# KiCad board RV523_CellTestBoard.final.kicad_pcb (continued)
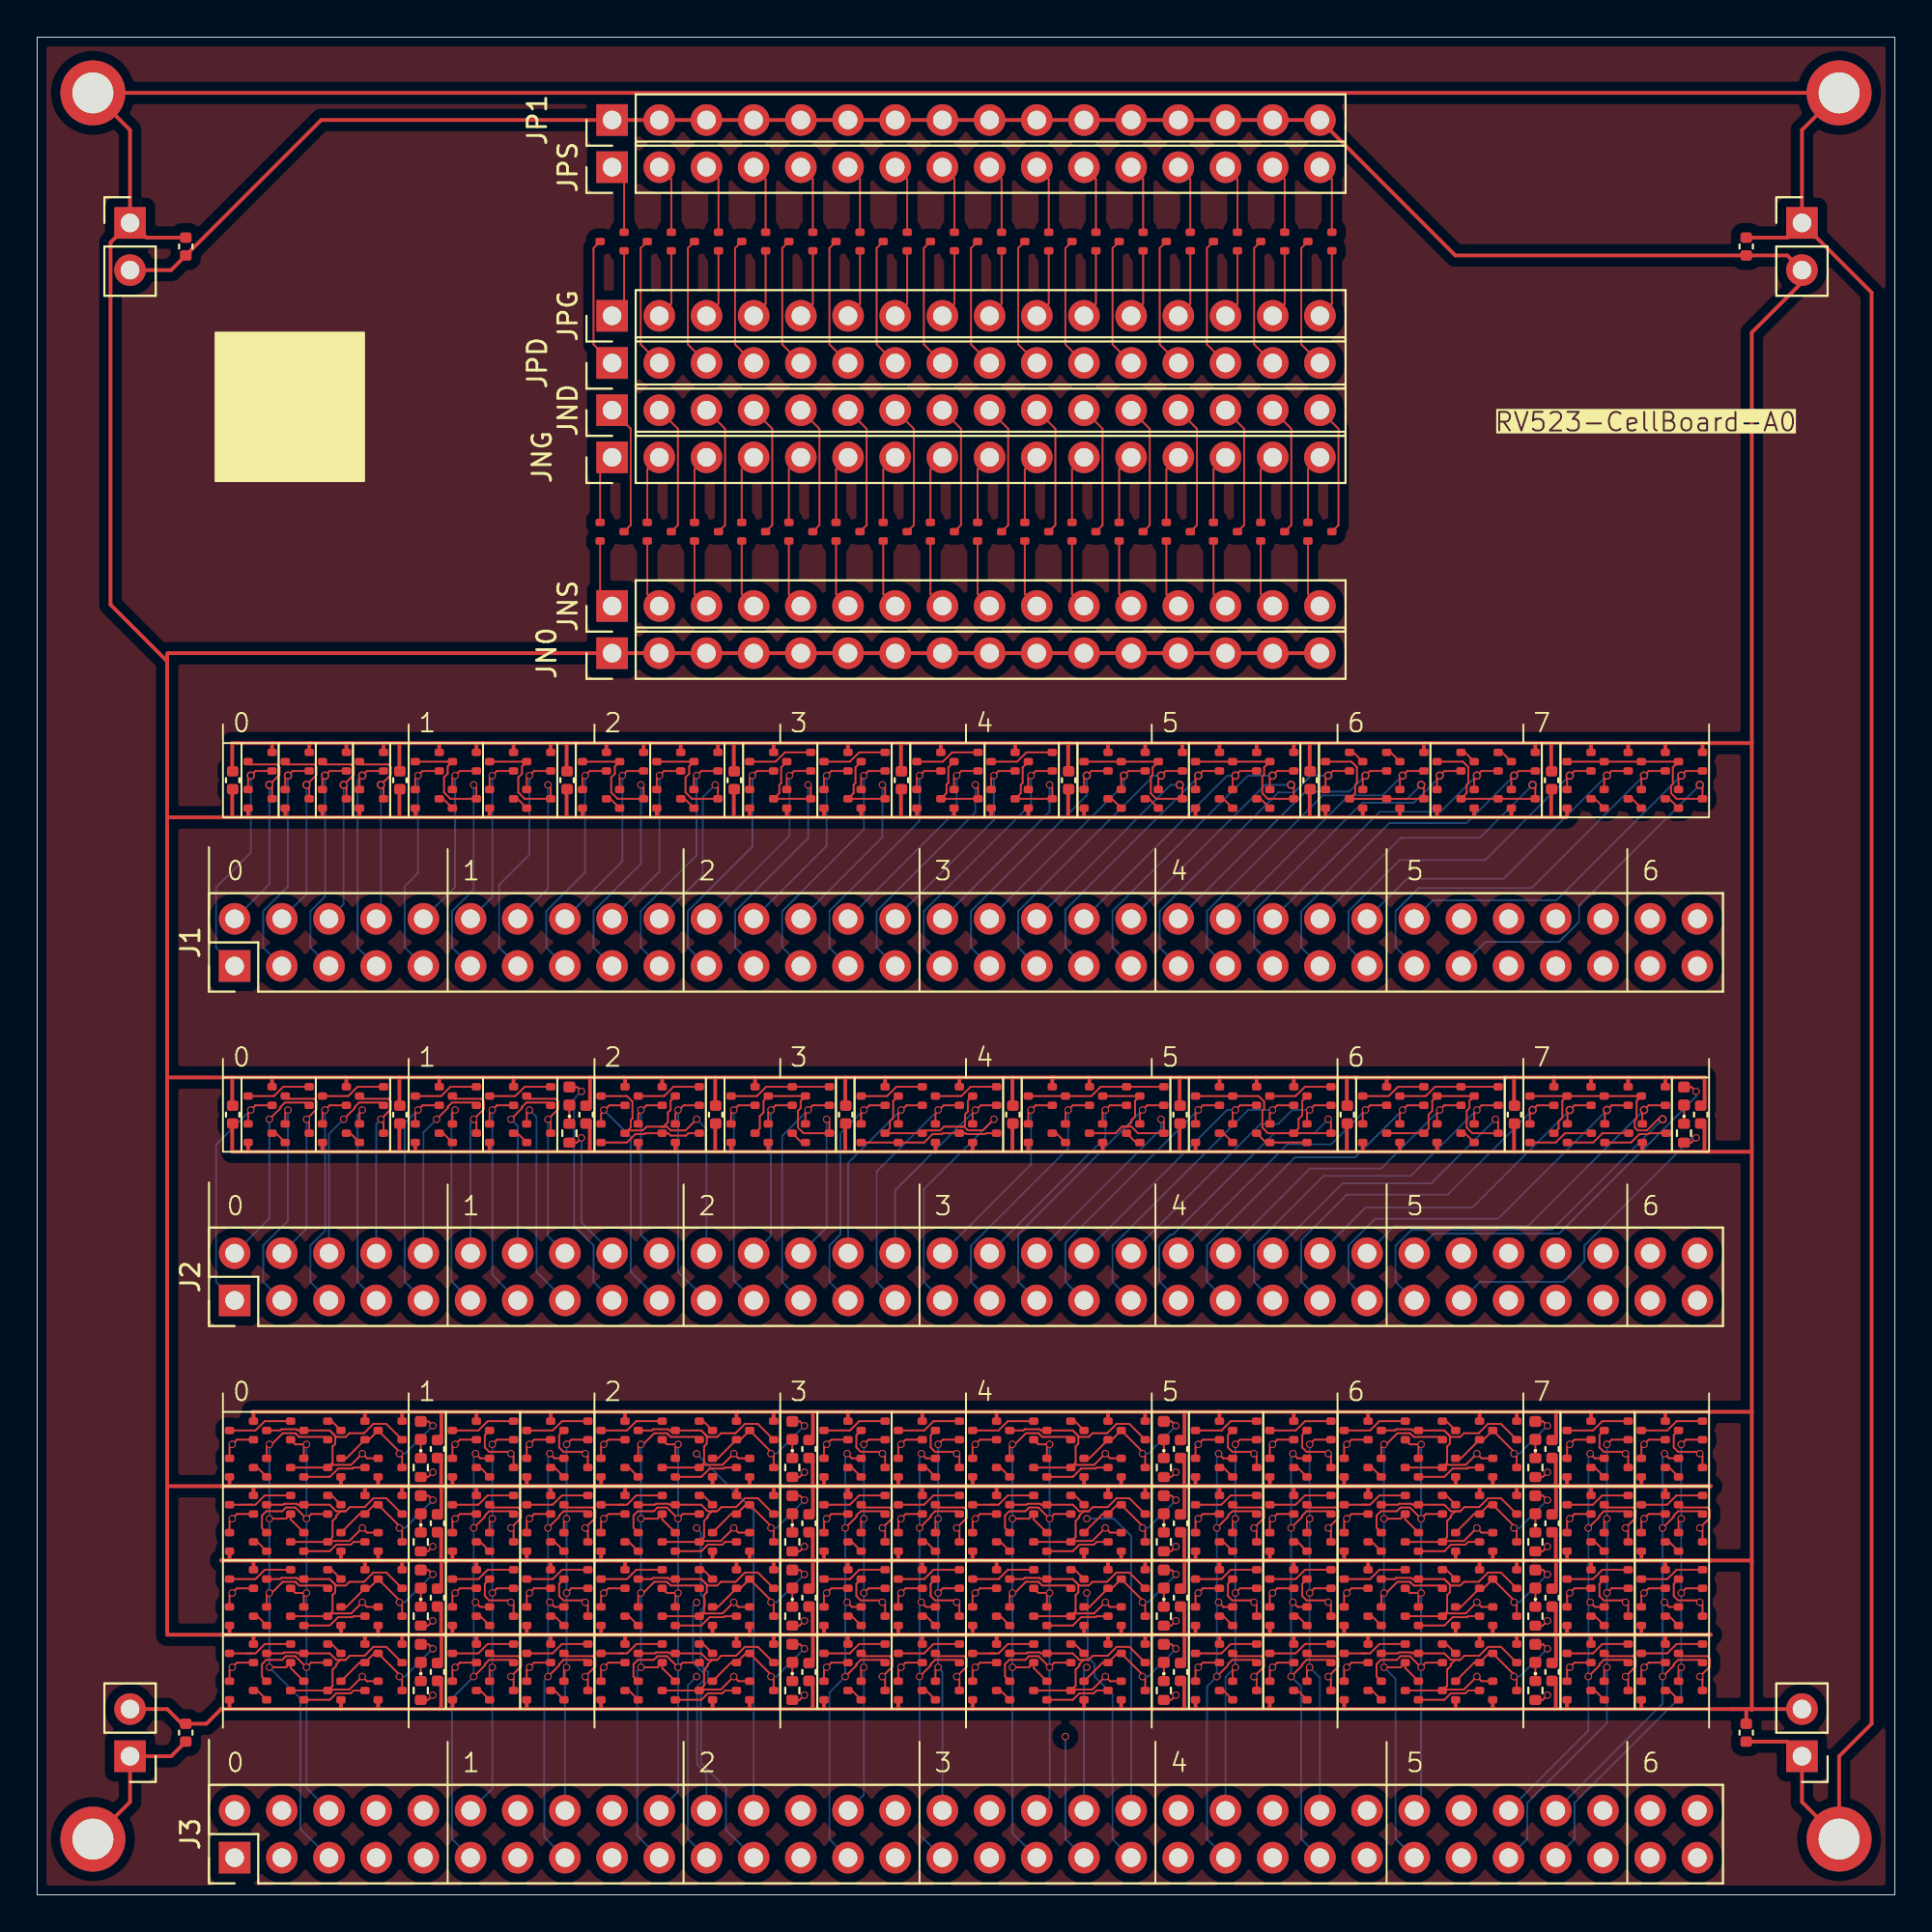
[diagram p0: board, top side]
## Nets (continued)
genblk2[0].genblk1[2].L.NOT3.intN: genblk2[0].genblk1[2].L.NOT3.N1.3 genblk2[0].genblk1[2].L.NOT3.N2.2
genblk2[0].genblk1[2].L.NOT3.intP: genblk2[0].genblk1[2].L.NOT3.P1.3 genblk2[0].genblk1[2].L.NOT3.P2.2
genblk2[0].genblk1[2].nQ: genblk2[0].genblk1[2].L.NOT1.N2.3 genblk2[0].genblk1[2].L.NOT1.P2.3 genblk2[0].genblk1[2].L.NOT2.N1.1 genblk2[0].genblk1[2].L.NOT2.P1.1 genblk2[0].genblk1[2].L.NOT3.N2.3 genblk2[0].genblk1[2].L.NOT3.P2.3 genblk2[0].genblk1[2].R1.N1.1 genblk2[0].genblk1[2].R1.P1.1 genblk2[0].genblk1[2].R2.N1.1 genblk2[0].genblk1[2].R2.P1.1
genblk2[0].genblk1[2].Q: genblk2[0].genblk1[2].D.L.2 genblk2[0].genblk1[2].L.NOT2.N1.3 genblk2[0].genblk1[2].L.NOT2.P1.3 genblk2[0].genblk1[2].L.NOT3.N1.1 genblk2[0].genblk1[2].L.NOT3.P1.1
genblk2[0].genblk1[2].R1.intN: genblk2[0].genblk1[2].R1.N1.3 genblk2[0].genblk1[2].R1.N2.2
genblk2[0].genblk1[2].R1.intP: genblk2[0].genblk1[2].R1.P1.3 genblk2[0].genblk1[2].R1.P2.2
genblk2[0].genblk1[2].R2.intN: genblk2[0].genblk1[2].R2.N1.3 genblk2[0].genblk1[2].R2.N2.2
genblk2[0].genblk1[2].R2.intP: genblk2[0].genblk1[2].R2.P1.3 genblk2[0].genblk1[2].R2.P2.2
genblk2[0].genblk1[3].D.i: genblk2[0].genblk1[3].D.L.1 genblk2[0].genblk1[3].D.R.1
genblk2[0].genblk1[3].L.NOT1.intN: genblk2[0].genblk1[3].L.NOT1.N1.3 genblk2[0].genblk1[3].L.NOT1.N2.2
genblk2[0].genblk1[3].L.NOT1.intP: genblk2[0].genblk1[3].L.NOT1.P1.3 genblk2[0].genblk1[3].L.NOT1.P2.2
genblk2[0].genblk1[3].L.NOT3.intN: genblk2[0].genblk1[3].L.NOT3.N1.3 genblk2[0].genblk1[3].L.NOT3.N2.2
genblk2[0].genblk1[3].L.NOT3.intP: genblk2[0].genblk1[3].L.NOT3.P1.3 genblk2[0].genblk1[3].L.NOT3.P2.2
genblk2[0].genblk1[3].nQ: genblk2[0].genblk1[3].L.NOT1.N2.3 genblk2[0].genblk1[3].L.NOT1.P2.3 genblk2[0].genblk1[3].L.NOT2.N1.1 genblk2[0].genblk1[3].L.NOT2.P1.1 genblk2[0].genblk1[3].L.NOT3.N2.3 genblk2[0].genblk1[3].L.NOT3.P2.3 genblk2[0].genblk1[3].R1.N1.1 genblk2[0].genblk1[3].R1.P1.1 genblk2[0].genblk1[3].R2.N1.1 genblk2[0].genblk1[3].R2.P1.1
genblk2[0].genblk1[3].Q: genblk2[0].genblk1[3].D.L.2 genblk2[0].genblk1[3].L.NOT2.N1.3 genblk2[0].genblk1[3].L.NOT2.P1.3 genblk2[0].genblk1[3].L.NOT3.N1.1 genblk2[0].genblk1[3].L.NOT3.P1.1
genblk2[0].genblk1[3].R1.intN: genblk2[0].genblk1[3].R1.N1.3 genblk2[0].genblk1[3].R1.N2.2
genblk2[0].genblk1[3].R1.intP: genblk2[0].genblk1[3].R1.P1.3 genblk2[0].genblk1[3].R1.P2.2
genblk2[0].genblk1[3].R2.intN: genblk2[0].genblk1[3].R2.N1.3 genblk2[0].genblk1[3].R2.N2.2
genblk2[0].genblk1[3].R2.intP: genblk2[0].genblk1[3].R2.P1.3 genblk2[0].genblk1[3].R2.P2.2
genblk2[1].genblk1[0].D.i: genblk2[1].genblk1[0].D.L.1 genblk2[1].genblk1[0].D.R.1
genblk2[1].genblk1[0].L.NOT1.intN: genblk2[1].genblk1[0].L.NOT1.N1.3 genblk2[1].genblk1[0].L.NOT1.N2.2
genblk2[1].genblk1[0].L.NOT1.intP: genblk2[1].genblk1[0].L.NOT1.P1.3 genblk2[1].genblk1[0].L.NOT1.P2.2
genblk2[1].genblk1[0].L.NOT3.intN: genblk2[1].genblk1[0].L.NOT3.N1.3 genblk2[1].genblk1[0].L.NOT3.N2.2
genblk2[1].genblk1[0].L.NOT3.intP: genblk2[1].genblk1[0].L.NOT3.P1.3 genblk2[1].genblk1[0].L.NOT3.P2.2
genblk2[1].genblk1[0].nQ: genblk2[1].genblk1[0].L.NOT1.N2.3 genblk2[1].genblk1[0].L.NOT1.P2.3 genblk2[1].genblk1[0].L.NOT2.N1.1 genblk2[1].genblk1[0].L.NOT2.P1.1 genblk2[1].genblk1[0].L.NOT3.N2.3 genblk2[1].genblk1[0].L.NOT3.P2.3 genblk2[1].genblk1[0].R1.N1.1 genblk2[1].genblk1[0].R1.P1.1 genblk2[1].genblk1[0].R2.N1.1 genblk2[1].genblk1[0].R2.P1.1
genblk2[1].genblk1[0].Q: genblk2[1].genblk1[0].D.L.2 genblk2[1].genblk1[0].L.NOT2.N1.3 genblk2[1].genblk1[0].L.NOT2.P1.3 genblk2[1].genblk1[0].L.NOT3.N1.1 genblk2[1].genblk1[0].L.NOT3.P1.1
genblk2[1].genblk1[0].R1.intN: genblk2[1].genblk1[0].R1.N1.3 genblk2[1].genblk1[0].R1.N2.2
genblk2[1].genblk1[0].R1.intP: genblk2[1].genblk1[0].R1.P1.3 genblk2[1].genblk1[0].R1.P2.2
genblk2[1].genblk1[0].R2.intN: genblk2[1].genblk1[0].R2.N1.3 genblk2[1].genblk1[0].R2.N2.2
genblk2[1].genblk1[0].R2.intP: genblk2[1].genblk1[0].R2.P1.3 genblk2[1].genblk1[0].R2.P2.2
genblk2[1].genblk1[1].D.i: genblk2[1].genblk1[1].D.L.1 genblk2[1].genblk1[1].D.R.1
genblk2[1].genblk1[1].L.NOT1.intN: genblk2[1].genblk1[1].L.NOT1.N1.3 genblk2[1].genblk1[1].L.NOT1.N2.2
genblk2[1].genblk1[1].L.NOT1.intP: genblk2[1].genblk1[1].L.NOT1.P1.3 genblk2[1].genblk1[1].L.NOT1.P2.2
genblk2[1].genblk1[1].L.NOT3.intN: genblk2[1].genblk1[1].L.NOT3.N1.3 genblk2[1].genblk1[1].L.NOT3.N2.2
genblk2[1].genblk1[1].L.NOT3.intP: genblk2[1].genblk1[1].L.NOT3.P1.3 genblk2[1].genblk1[1].L.NOT3.P2.2
genblk2[1].genblk1[1].nQ: genblk2[1].genblk1[1].L.NOT1.N2.3 genblk2[1].genblk1[1].L.NOT1.P2.3 genblk2[1].genblk1[1].L.NOT2.N1.1 genblk2[1].genblk1[1].L.NOT2.P1.1 genblk2[1].genblk1[1].L.NOT3.N2.3 genblk2[1].genblk1[1].L.NOT3.P2.3 genblk2[1].genblk1[1].R1.N1.1 genblk2[1].genblk1[1].R1.P1.1 genblk2[1].genblk1[1].R2.N1.1 genblk2[1].genblk1[1].R2.P1.1
genblk2[1].genblk1[1].Q: genblk2[1].genblk1[1].D.L.2 genblk2[1].genblk1[1].L.NOT2.N1.3 genblk2[1].genblk1[1].L.NOT2.P1.3 genblk2[1].genblk1[1].L.NOT3.N1.1 genblk2[1].genblk1[1].L.NOT3.P1.1
genblk2[1].genblk1[1].R1.intN: genblk2[1].genblk1[1].R1.N1.3 genblk2[1].genblk1[1].R1.N2.2
genblk2[1].genblk1[1].R1.intP: genblk2[1].genblk1[1].R1.P1.3 genblk2[1].genblk1[1].R1.P2.2
genblk2[1].genblk1[1].R2.intN: genblk2[1].genblk1[1].R2.N1.3 genblk2[1].genblk1[1].R2.N2.2
genblk2[1].genblk1[1].R2.intP: genblk2[1].genblk1[1].R2.P1.3 genblk2[1].genblk1[1].R2.P2.2
genblk2[1].genblk1[2].D.i: genblk2[1].genblk1[2].D.L.1 genblk2[1].genblk1[2].D.R.1
genblk2[1].genblk1[2].L.NOT1.intN: genblk2[1].genblk1[2].L.NOT1.N1.3 genblk2[1].genblk1[2].L.NOT1.N2.2
genblk2[1].genblk1[2].L.NOT1.intP: genblk2[1].genblk1[2].L.NOT1.P1.3 genblk2[1].genblk1[2].L.NOT1.P2.2
genblk2[1].genblk1[2].L.NOT3.intN: genblk2[1].genblk1[2].L.NOT3.N1.3 genblk2[1].genblk1[2].L.NOT3.N2.2
genblk2[1].genblk1[2].L.NOT3.intP: genblk2[1].genblk1[2].L.NOT3.P1.3 genblk2[1].genblk1[2].L.NOT3.P2.2
genblk2[1].genblk1[2].nQ: genblk2[1].genblk1[2].L.NOT1.N2.3 genblk2[1].genblk1[2].L.NOT1.P2.3 genblk2[1].genblk1[2].L.NOT2.N1.1 genblk2[1].genblk1[2].L.NOT2.P1.1 genblk2[1].genblk1[2].L.NOT3.N2.3 genblk2[1].genblk1[2].L.NOT3.P2.3 genblk2[1].genblk1[2].R1.N1.1 genblk2[1].genblk1[2].R1.P1.1 genblk2[1].genblk1[2].R2.N1.1 genblk2[1].genblk1[2].R2.P1.1
genblk2[1].genblk1[2].Q: genblk2[1].genblk1[2].D.L.2 genblk2[1].genblk1[2].L.NOT2.N1.3 genblk2[1].genblk1[2].L.NOT2.P1.3 genblk2[1].genblk1[2].L.NOT3.N1.1 genblk2[1].genblk1[2].L.NOT3.P1.1
genblk2[1].genblk1[2].R1.intN: genblk2[1].genblk1[2].R1.N1.3 genblk2[1].genblk1[2].R1.N2.2
genblk2[1].genblk1[2].R1.intP: genblk2[1].genblk1[2].R1.P1.3 genblk2[1].genblk1[2].R1.P2.2
genblk2[1].genblk1[2].R2.intN: genblk2[1].genblk1[2].R2.N1.3 genblk2[1].genblk1[2].R2.N2.2
genblk2[1].genblk1[2].R2.intP: genblk2[1].genblk1[2].R2.P1.3 genblk2[1].genblk1[2].R2.P2.2
genblk2[1].genblk1[3].D.i: genblk2[1].genblk1[3].D.L.1 genblk2[1].genblk1[3].D.R.1
genblk2[1].genblk1[3].L.NOT1.intN: genblk2[1].genblk1[3].L.NOT1.N1.3 genblk2[1].genblk1[3].L.NOT1.N2.2
genblk2[1].genblk1[3].L.NOT1.intP: genblk2[1].genblk1[3].L.NOT1.P1.3 genblk2[1].genblk1[3].L.NOT1.P2.2
genblk2[1].genblk1[3].L.NOT3.intN: genblk2[1].genblk1[3].L.NOT3.N1.3 genblk2[1].genblk1[3].L.NOT3.N2.2
genblk2[1].genblk1[3].L.NOT3.intP: genblk2[1].genblk1[3].L.NOT3.P1.3 genblk2[1].genblk1[3].L.NOT3.P2.2
genblk2[1].genblk1[3].nQ: genblk2[1].genblk1[3].L.NOT1.N2.3 genblk2[1].genblk1[3].L.NOT1.P2.3 genblk2[1].genblk1[3].L.NOT2.N1.1 genblk2[1].genblk1[3].L.NOT2.P1.1 genblk2[1].genblk1[3].L.NOT3.N2.3 genblk2[1].genblk1[3].L.NOT3.P2.3 genblk2[1].genblk1[3].R1.N1.1 genblk2[1].genblk1[3].R1.P1.1 genblk2[1].genblk1[3].R2.N1.1 genblk2[1].genblk1[3].R2.P1.1
genblk2[1].genblk1[3].Q: genblk2[1].genblk1[3].D.L.2 genblk2[1].genblk1[3].L.NOT2.N1.3 genblk2[1].genblk1[3].L.NOT2.P1.3 genblk2[1].genblk1[3].L.NOT3.N1.1 genblk2[1].genblk1[3].L.NOT3.P1.1
genblk2[1].genblk1[3].R1.intN: genblk2[1].genblk1[3].R1.N1.3 genblk2[1].genblk1[3].R1.N2.2
genblk2[1].genblk1[3].R1.intP: genblk2[1].genblk1[3].R1.P1.3 genblk2[1].genblk1[3].R1.P2.2
genblk2[1].genblk1[3].R2.intN: genblk2[1].genblk1[3].R2.N1.3 genblk2[1].genblk1[3].R2.N2.2
genblk2[1].genblk1[3].R2.intP: genblk2[1].genblk1[3].R2.P1.3 genblk2[1].genblk1[3].R2.P2.2
genblk2[2].genblk1[0].D.i: genblk2[2].genblk1[0].D.L.1 genblk2[2].genblk1[0].D.R.1
genblk2[2].genblk1[0].L.NOT1.intN: genblk2[2].genblk1[0].L.NOT1.N1.3 genblk2[2].genblk1[0].L.NOT1.N2.2
genblk2[2].genblk1[0].L.NOT1.intP: genblk2[2].genblk1[0].L.NOT1.P1.3 genblk2[2].genblk1[0].L.NOT1.P2.2
genblk2[2].genblk1[0].L.NOT3.intN: genblk2[2].genblk1[0].L.NOT3.N1.3 genblk2[2].genblk1[0].L.NOT3.N2.2
genblk2[2].genblk1[0].L.NOT3.intP: genblk2[2].genblk1[0].L.NOT3.P1.3 genblk2[2].genblk1[0].L.NOT3.P2.2
genblk2[2].genblk1[0].nQ: genblk2[2].genblk1[0].L.NOT1.N2.3 genblk2[2].genblk1[0].L.NOT1.P2.3 genblk2[2].genblk1[0].L.NOT2.N1.1 genblk2[2].genblk1[0].L.NOT2.P1.1 genblk2[2].genblk1[0].L.NOT3.N2.3 genblk2[2].genblk1[0].L.NOT3.P2.3 genblk2[2].genblk1[0].R1.N1.1 genblk2[2].genblk1[0].R1.P1.1 genblk2[2].genblk1[0].R2.N1.1 genblk2[2].genblk1[0].R2.P1.1
genblk2[2].genblk1[0].Q: genblk2[2].genblk1[0].D.L.2 genblk2[2].genblk1[0].L.NOT2.N1.3 genblk2[2].genblk1[0].L.NOT2.P1.3 genblk2[2].genblk1[0].L.NOT3.N1.1 genblk2[2].genblk1[0].L.NOT3.P1.1
genblk2[2].genblk1[0].R1.intN: genblk2[2].genblk1[0].R1.N1.3 genblk2[2].genblk1[0].R1.N2.2
genblk2[2].genblk1[0].R1.intP: genblk2[2].genblk1[0].R1.P1.3 genblk2[2].genblk1[0].R1.P2.2
genblk2[2].genblk1[0].R2.intN: genblk2[2].genblk1[0].R2.N1.3 genblk2[2].genblk1[0].R2.N2.2
genblk2[2].genblk1[0].R2.intP: genblk2[2].genblk1[0].R2.P1.3 genblk2[2].genblk1[0].R2.P2.2
genblk2[2].genblk1[1].D.i: genblk2[2].genblk1[1].D.L.1 genblk2[2].genblk1[1].D.R.1
genblk2[2].genblk1[1].L.NOT1.intN: genblk2[2].genblk1[1].L.NOT1.N1.3 genblk2[2].genblk1[1].L.NOT1.N2.2
genblk2[2].genblk1[1].L.NOT1.intP: genblk2[2].genblk1[1].L.NOT1.P1.3 genblk2[2].genblk1[1].L.NOT1.P2.2
genblk2[2].genblk1[1].L.NOT3.intN: genblk2[2].genblk1[1].L.NOT3.N1.3 genblk2[2].genblk1[1].L.NOT3.N2.2
genblk2[2].genblk1[1].L.NOT3.intP: genblk2[2].genblk1[1].L.NOT3.P1.3 genblk2[2].genblk1[1].L.NOT3.P2.2
genblk2[2].genblk1[1].nQ: genblk2[2].genblk1[1].L.NOT1.N2.3 genblk2[2].genblk1[1].L.NOT1.P2.3 genblk2[2].genblk1[1].L.NOT2.N1.1 genblk2[2].genblk1[1].L.NOT2.P1.1 genblk2[2].genblk1[1].L.NOT3.N2.3 genblk2[2].genblk1[1].L.NOT3.P2.3 genblk2[2].genblk1[1].R1.N1.1 genblk2[2].genblk1[1].R1.P1.1 genblk2[2].genblk1[1].R2.N1.1 genblk2[2].genblk1[1].R2.P1.1
genblk2[2].genblk1[1].Q: genblk2[2].genblk1[1].D.L.2 genblk2[2].genblk1[1].L.NOT2.N1.3 genblk2[2].genblk1[1].L.NOT2.P1.3 genblk2[2].genblk1[1].L.NOT3.N1.1 genblk2[2].genblk1[1].L.NOT3.P1.1
genblk2[2].genblk1[1].R1.intN: genblk2[2].genblk1[1].R1.N1.3 genblk2[2].genblk1[1].R1.N2.2
genblk2[2].genblk1[1].R1.intP: genblk2[2].genblk1[1].R1.P1.3 genblk2[2].genblk1[1].R1.P2.2
genblk2[2].genblk1[1].R2.intN: genblk2[2].genblk1[1].R2.N1.3 genblk2[2].genblk1[1].R2.N2.2
genblk2[2].genblk1[1].R2.intP: genblk2[2].genblk1[1].R2.P1.3 genblk2[2].genblk1[1].R2.P2.2
genblk2[2].genblk1[2].D.i: genblk2[2].genblk1[2].D.L.1 genblk2[2].genblk1[2].D.R.1
genblk2[2].genblk1[2].L.NOT1.intN: genblk2[2].genblk1[2].L.NOT1.N1.3 genblk2[2].genblk1[2].L.NOT1.N2.2
genblk2[2].genblk1[2].L.NOT1.intP: genblk2[2].genblk1[2].L.NOT1.P1.3 genblk2[2].genblk1[2].L.NOT1.P2.2
genblk2[2].genblk1[2].L.NOT3.intN: genblk2[2].genblk1[2].L.NOT3.N1.3 genblk2[2].genblk1[2].L.NOT3.N2.2
genblk2[2].genblk1[2].L.NOT3.intP: genblk2[2].genblk1[2].L.NOT3.P1.3 genblk2[2].genblk1[2].L.NOT3.P2.2
genblk2[2].genblk1[2].nQ: genblk2[2].genblk1[2].L.NOT1.N2.3 genblk2[2].genblk1[2].L.NOT1.P2.3 genblk2[2].genblk1[2].L.NOT2.N1.1 genblk2[2].genblk1[2].L.NOT2.P1.1 genblk2[2].genblk1[2].L.NOT3.N2.3 genblk2[2].genblk1[2].L.NOT3.P2.3 genblk2[2].genblk1[2].R1.N1.1 genblk2[2].genblk1[2].R1.P1.1 genblk2[2].genblk1[2].R2.N1.1 genblk2[2].genblk1[2].R2.P1.1
genblk2[2].genblk1[2].Q: genblk2[2].genblk1[2].D.L.2 genblk2[2].genblk1[2].L.NOT2.N1.3 genblk2[2].genblk1[2].L.NOT2.P1.3 genblk2[2].genblk1[2].L.NOT3.N1.1 genblk2[2].genblk1[2].L.NOT3.P1.1
genblk2[2].genblk1[2].R1.intN: genblk2[2].genblk1[2].R1.N1.3 genblk2[2].genblk1[2].R1.N2.2
genblk2[2].genblk1[2].R1.intP: genblk2[2].genblk1[2].R1.P1.3 genblk2[2].genblk1[2].R1.P2.2
genblk2[2].genblk1[2].R2.intN: genblk2[2].genblk1[2].R2.N1.3 genblk2[2].genblk1[2].R2.N2.2
genblk2[2].genblk1[2].R2.intP: genblk2[2].genblk1[2].R2.P1.3 genblk2[2].genblk1[2].R2.P2.2
genblk2[2].genblk1[3].D.i: genblk2[2].genblk1[3].D.L.1 genblk2[2].genblk1[3].D.R.1
genblk2[2].genblk1[3].L.NOT1.intN: genblk2[2].genblk1[3].L.NOT1.N1.3 genblk2[2].genblk1[3].L.NOT1.N2.2
genblk2[2].genblk1[3].L.NOT1.intP: genblk2[2].genblk1[3].L.NOT1.P1.3 genblk2[2].genblk1[3].L.NOT1.P2.2
genblk2[2].genblk1[3].L.NOT3.intN: genblk2[2].genblk1[3].L.NOT3.N1.3 genblk2[2].genblk1[3].L.NOT3.N2.2
genblk2[2].genblk1[3].L.NOT3.intP: genblk2[2].genblk1[3].L.NOT3.P1.3 genblk2[2].genblk1[3].L.NOT3.P2.2
genblk2[2].genblk1[3].nQ: genblk2[2].genblk1[3].L.NOT1.N2.3 genblk2[2].genblk1[3].L.NOT1.P2.3 genblk2[2].genblk1[3].L.NOT2.N1.1 genblk2[2].genblk1[3].L.NOT2.P1.1 genblk2[2].genblk1[3].L.NOT3.N2.3 genblk2[2].genblk1[3].L.NOT3.P2.3 genblk2[2].genblk1[3].R1.N1.1 genblk2[2].genblk1[3].R1.P1.1 genblk2[2].genblk1[3].R2.N1.1 genblk2[2].genblk1[3].R2.P1.1
genblk2[2].genblk1[3].Q: genblk2[2].genblk1[3].D.L.2 genblk2[2].genblk1[3].L.NOT2.N1.3 genblk2[2].genblk1[3].L.NOT2.P1.3 genblk2[2].genblk1[3].L.NOT3.N1.1 genblk2[2].genblk1[3].L.NOT3.P1.1
genblk2[2].genblk1[3].R1.intN: genblk2[2].genblk1[3].R1.N1.3 genblk2[2].genblk1[3].R1.N2.2
genblk2[2].genblk1[3].R1.intP: genblk2[2].genblk1[3].R1.P1.3 genblk2[2].genblk1[3].R1.P2.2
genblk2[2].genblk1[3].R2.intN: genblk2[2].genblk1[3].R2.N1.3 genblk2[2].genblk1[3].R2.N2.2
genblk2[2].genblk1[3].R2.intP: genblk2[2].genblk1[3].R2.P1.3 genblk2[2].genblk1[3].R2.P2.2
genblk2[3].genblk1[0].D.i: genblk2[3].genblk1[0].D.L.1 genblk2[3].genblk1[0].D.R.1
genblk2[3].genblk1[0].L.NOT1.intN: genblk2[3].genblk1[0].L.NOT1.N1.3 genblk2[3].genblk1[0].L.NOT1.N2.2
genblk2[3].genblk1[0].L.NOT1.intP: genblk2[3].genblk1[0].L.NOT1.P1.3 genblk2[3].genblk1[0].L.NOT1.P2.2
genblk2[3].genblk1[0].L.NOT3.intN: genblk2[3].genblk1[0].L.NOT3.N1.3 genblk2[3].genblk1[0].L.NOT3.N2.2
genblk2[3].genblk1[0].L.NOT3.intP: genblk2[3].genblk1[0].L.NOT3.P1.3 genblk2[3].genblk1[0].L.NOT3.P2.2
genblk2[3].genblk1[0].nQ: genblk2[3].genblk1[0].L.NOT1.N2.3 genblk2[3].genblk1[0].L.NOT1.P2.3 genblk2[3].genblk1[0].L.NOT2.N1.1 genblk2[3].genblk1[0].L.NOT2.P1.1 genblk2[3].genblk1[0].L.NOT3.N2.3 genblk2[3].genblk1[0].L.NOT3.P2.3 genblk2[3].genblk1[0].R1.N1.1 genblk2[3].genblk1[0].R1.P1.1 genblk2[3].genblk1[0].R2.N1.1 genblk2[3].genblk1[0].R2.P1.1
genblk2[3].genblk1[0].Q: genblk2[3].genblk1[0].D.L.2 genblk2[3].genblk1[0].L.NOT2.N1.3 genblk2[3].genblk1[0].L.NOT2.P1.3 genblk2[3].genblk1[0].L.NOT3.N1.1 genblk2[3].genblk1[0].L.NOT3.P1.1
genblk2[3].genblk1[0].R1.intN: genblk2[3].genblk1[0].R1.N1.3 genblk2[3].genblk1[0].R1.N2.2
genblk2[3].genblk1[0].R1.intP: genblk2[3].genblk1[0].R1.P1.3 genblk2[3].genblk1[0].R1.P2.2
genblk2[3].genblk1[0].R2.intN: genblk2[3].genblk1[0].R2.N1.3 genblk2[3].genblk1[0].R2.N2.2
genblk2[3].genblk1[0].R2.intP: genblk2[3].genblk1[0].R2.P1.3 genblk2[3].genblk1[0].R2.P2.2
genblk2[3].genblk1[1].D.i: genblk2[3].genblk1[1].D.L.1 genblk2[3].genblk1[1].D.R.1
genblk2[3].genblk1[1].L.NOT1.intN: genblk2[3].genblk1[1].L.NOT1.N1.3 genblk2[3].genblk1[1].L.NOT1.N2.2
genblk2[3].genblk1[1].L.NOT1.intP: genblk2[3].genblk1[1].L.NOT1.P1.3 genblk2[3].genblk1[1].L.NOT1.P2.2
genblk2[3].genblk1[1].L.NOT3.intN: genblk2[3].genblk1[1].L.NOT3.N1.3 genblk2[3].genblk1[1].L.NOT3.N2.2
genblk2[3].genblk1[1].L.NOT3.intP: genblk2[3].genblk1[1].L.NOT3.P1.3 genblk2[3].genblk1[1].L.NOT3.P2.2
genblk2[3].genblk1[1].nQ: genblk2[3].genblk1[1].L.NOT1.N2.3 genblk2[3].genblk1[1].L.NOT1.P2.3 genblk2[3].genblk1[1].L.NOT2.N1.1 genblk2[3].genblk1[1].L.NOT2.P1.1 genblk2[3].genblk1[1].L.NOT3.N2.3 genblk2[3].genblk1[1].L.NOT3.P2.3 genblk2[3].genblk1[1].R1.N1.1 genblk2[3].genblk1[1].R1.P1.1 genblk2[3].genblk1[1].R2.N1.1 genblk2[3].genblk1[1].R2.P1.1
genblk2[3].genblk1[1].Q: genblk2[3].genblk1[1].D.L.2 genblk2[3].genblk1[1].L.NOT2.N1.3 genblk2[3].genblk1[1].L.NOT2.P1.3 genblk2[3].genblk1[1].L.NOT3.N1.1 genblk2[3].genblk1[1].L.NOT3.P1.1
genblk2[3].genblk1[1].R1.intN: genblk2[3].genblk1[1].R1.N1.3 genblk2[3].genblk1[1].R1.N2.2
genblk2[3].genblk1[1].R1.intP: genblk2[3].genblk1[1].R1.P1.3 genblk2[3].genblk1[1].R1.P2.2
genblk2[3].genblk1[1].R2.intN: genblk2[3].genblk1[1].R2.N1.3 genblk2[3].genblk1[1].R2.N2.2
genblk2[3].genblk1[1].R2.intP: genblk2[3].genblk1[1].R2.P1.3 genblk2[3].genblk1[1].R2.P2.2
genblk2[3].genblk1[2].D.i: genblk2[3].genblk1[2].D.L.1 genblk2[3].genblk1[2].D.R.1
genblk2[3].genblk1[2].L.NOT1.intN: genblk2[3].genblk1[2].L.NOT1.N1.3 genblk2[3].genblk1[2].L.NOT1.N2.2
genblk2[3].genblk1[2].L.NOT1.intP: genblk2[3].genblk1[2].L.NOT1.P1.3 genblk2[3].genblk1[2].L.NOT1.P2.2
genblk2[3].genblk1[2].L.NOT3.intN: genblk2[3].genblk1[2].L.NOT3.N1.3 genblk2[3].genblk1[2].L.NOT3.N2.2
genblk2[3].genblk1[2].L.NOT3.intP: genblk2[3].genblk1[2].L.NOT3.P1.3 genblk2[3].genblk1[2].L.NOT3.P2.2
genblk2[3].genblk1[2].nQ: genblk2[3].genblk1[2].L.NOT1.N2.3 genblk2[3].genblk1[2].L.NOT1.P2.3 genblk2[3].genblk1[2].L.NOT2.N1.1 genblk2[3].genblk1[2].L.NOT2.P1.1 genblk2[3].genblk1[2].L.NOT3.N2.3 genblk2[3].genblk1[2].L.NOT3.P2.3 genblk2[3].genblk1[2].R1.N1.1 genblk2[3].genblk1[2].R1.P1.1 genblk2[3].genblk1[2].R2.N1.1 genblk2[3].genblk1[2].R2.P1.1
genblk2[3].genblk1[2].Q: genblk2[3].genblk1[2].D.L.2 genblk2[3].genblk1[2].L.NOT2.N1.3 genblk2[3].genblk1[2].L.NOT2.P1.3 genblk2[3].genblk1[2].L.NOT3.N1.1 genblk2[3].genblk1[2].L.NOT3.P1.1
genblk2[3].genblk1[2].R1.intN: genblk2[3].genblk1[2].R1.N1.3 genblk2[3].genblk1[2].R1.N2.2
genblk2[3].genblk1[2].R1.intP: genblk2[3].genblk1[2].R1.P1.3 genblk2[3].genblk1[2].R1.P2.2
genblk2[3].genblk1[2].R2.intN: genblk2[3].genblk1[2].R2.N1.3 genblk2[3].genblk1[2].R2.N2.2
genblk2[3].genblk1[2].R2.intP: genblk2[3].genblk1[2].R2.P1.3 genblk2[3].genblk1[2].R2.P2.2
genblk2[3].genblk1[3].D.i: genblk2[3].genblk1[3].D.L.1 genblk2[3].genblk1[3].D.R.1
genblk2[3].genblk1[3].L.NOT1.intN: genblk2[3].genblk1[3].L.NOT1.N1.3 genblk2[3].genblk1[3].L.NOT1.N2.2
genblk2[3].genblk1[3].L.NOT1.intP: genblk2[3].genblk1[3].L.NOT1.P1.3 genblk2[3].genblk1[3].L.NOT1.P2.2
genblk2[3].genblk1[3].L.NOT3.intN: genblk2[3].genblk1[3].L.NOT3.N1.3 genblk2[3].genblk1[3].L.NOT3.N2.2
genblk2[3].genblk1[3].L.NOT3.intP: genblk2[3].genblk1[3].L.NOT3.P1.3 genblk2[3].genblk1[3].L.NOT3.P2.2
genblk2[3].genblk1[3].nQ: genblk2[3].genblk1[3].L.NOT1.N2.3 genblk2[3].genblk1[3].L.NOT1.P2.3 genblk2[3].genblk1[3].L.NOT2.N1.1 genblk2[3].genblk1[3].L.NOT2.P1.1 genblk2[3].genblk1[3].L.NOT3.N2.3 genblk2[3].genblk1[3].L.NOT3.P2.3 genblk2[3].genblk1[3].R1.N1.1 genblk2[3].genblk1[3].R1.P1.1 genblk2[3].genblk1[3].R2.N1.1 genblk2[3].genblk1[3].R2.P1.1
genblk2[3].genblk1[3].Q: genblk2[3].genblk1[3].D.L.2 genblk2[3].genblk1[3].L.NOT2.N1.3 genblk2[3].genblk1[3].L.NOT2.P1.3 genblk2[3].genblk1[3].L.NOT3.N1.1 genblk2[3].genblk1[3].L.NOT3.P1.1
genblk2[3].genblk1[3].R1.intN: genblk2[3].genblk1[3].R1.N1.3 genblk2[3].genblk1[3].R1.N2.2
genblk2[3].genblk1[3].R1.intP: genblk2[3].genblk1[3].R1.P1.3 genblk2[3].genblk1[3].R1.P2.2
genblk2[3].genblk1[3].R2.intN: genblk2[3].genblk1[3].R2.N1.3 genblk2[3].genblk1[3].R2.N2.2
genblk2[3].genblk1[3].R2.intP: genblk2[3].genblk1[3].R2.P1.3 genblk2[3].genblk1[3].R2.P2.2
J1pins.9: J1.9 NAND2_1.N1.1 NAND2_1.P1.1
J1pins.10: J1.10 NAND2_1.N2.1 NAND2_1.P2.1
J1pins.12: J1.12 NAND2_2.N1.1 NAND2_2.P1.1
J1pins.13: J1.13 NAND2_2.N2.1 NAND2_2.P2.1
J1pins.15: J1.15 NAND2_3.N1.1 NAND2_3.P1.1
J1pins.16: J1.16 NAND2_3.N2.1 NAND2_3.P2.1
J1pins.18: J1.18 NAND2_4.N1.1 NAND2_4.P1.1
J1pins.19: J1.19 NAND2_4.N2.1 NAND2_4.P2.1
J1pins.21: J1.21 NOR2_1.N1.1 NOR2_1.P1.1
J1pins.22: J1.22 NOR2_1.N2.1 NOR2_1.P2.1
J1pins.24: J1.24 NOR2_2.N1.1 NOR2_2.P1.1
J1pins.25: J1.25 NOR2_2.N2.1 NOR2_2.P2.1
J1pins.27: J1.27 NOR2_3.N1.1 NOR2_3.P1.1
J1pins.28: J1.28 NOR2_3.N2.1 NOR2_3.P2.1
J1pins.30: J1.30 NOR2_4.N1.1 NOR2_4.P1.1
J1pins.31: J1.31 NOR2_4.N2.1 NOR2_4.P2.1
J1pins.33: J1.33 NAND3_1.N1.1 NAND3_1.P1.1
J1pins.34: J1.34 NAND3_1.N2.1 NAND3_1.P2.1
J1pins.35: J1.35 NAND3_1.N3.1 NAND3_1.P3.1
J1pins.37: J1.37 NAND3_2.N1.1 NAND3_2.P1.1
J1pins.38: J1.38 NAND3_2.N2.1 NAND3_2.P2.1
J1pins.39: J1.39 NAND3_2.N3.1 NAND3_2.P3.1
J1pins.41: J1.41 NOR3_1.N1.1 NOR3_1.P1.1
J1pins.42: J1.42 NOR3_1.N2.1 NOR3_1.P2.1
J1pins.43: J1.43 NOR3_1.N3.1 NOR3_1.P3.1
J1pins.45: J1.45 NOR3_2.N1.1 NOR3_2.P1.1
J1pins.46: J1.46 NOR3_2.N2.1 NOR3_2.P2.1
J1pins.47: J1.47 NOR3_2.N3.1 NOR3_2.P3.1
J1pins.49: J1.49 NAND4_1.N1.1 NAND4_1.P1.1
J1pins.50: J1.50 NAND4_1.N2.1 NAND4_1.P2.1
J1pins.51: J1.51 NAND4_1.N3.1 NAND4_1.P3.1
J1pins.52: J1.52 NAND4_1.N4.1 NAND4_1.P4.1
J1pins.54: J1.54
J1pins.55: J1.55
J1pins.56: J1.56
J1pins.57: J1.57
J1pins.58: J1.58
J1pins.59: J1.59
J1pins.60: J1.60
J1pins.61: J1.61
J1pins.62: J1.62
J1pins.63: J1.63
J1pins.64: J1.64
J1pins[1]: J1.1 NOT_1.N1.1 NOT_1.P1.1
J1pins[2]: J1.2 NOT_1.N1.3 NOT_1.P1.3
J1pins[3]: J1.3 NOT_2.N1.1 NOT_2.P1.1
J1pins[4]: J1.4 NOT_2.N1.3 NOT_2.P1.3
J1pins[5]: J1.5 NOT_3.N1.1 NOT_3.P1.1
J1pins[6]: J1.6 NOT_3.N1.3 NOT_3.P1.3
J1pins[7]: J1.7 NOT_4.N1.1 NOT_4.P1.1
J1pins[8]: J1.8 NOT_4.N1.3 NOT_4.P1.3
J1pins[11]: J1.11 NAND2_1.N2.3 NAND2_1.P1.3 NAND2_1.P2.3
J1pins[14]: J1.14 NAND2_2.N2.3 NAND2_2.P1.3 NAND2_2.P2.3
J1pins[17]: J1.17 NAND2_3.N2.3 NAND2_3.P1.3 NAND2_3.P2.3
J1pins[20]: J1.20 NAND2_4.N2.3 NAND2_4.P1.3 NAND2_4.P2.3
J1pins[23]: J1.23 NOR2_1.N1.3 NOR2_1.N2.3 NOR2_1.P2.3
J1pins[26]: J1.26 NOR2_2.N1.3 NOR2_2.N2.3 NOR2_2.P2.3
J1pins[29]: J1.29 NOR2_3.N1.3 NOR2_3.N2.3 NOR2_3.P2.3
J1pins[32]: J1.32 NOR2_4.N1.3 NOR2_4.N2.3 NOR2_4.P2.3
J1pins[36]: J1.36 NAND3_1.N3.3 NAND3_1.P1.3 NAND3_1.P2.3 NAND3_1.P3.3
J1pins[40]: J1.40 NAND3_2.N3.3 NAND3_2.P1.3 NAND3_2.P2.3 NAND3_2.P3.3
J1pins[44]: J1.44 NOR3_1.N1.3 NOR3_1.N2.3 NOR3_1.N3.3 NOR3_1.P1.3
J1pins[48]: J1.48 NOR3_2.N1.3 NOR3_2.N2.3 NOR3_2.N3.3 NOR3_2.P1.3
J1pins[53]: J1.53 NAND4_1.N4.3 NAND4_1.P1.3 NAND4_1.P2.3 NAND4_1.P3.3 NAND4_1.P4.3
J2pins.1: J2.1 TINV_1.N1.1 TINV_1.P1.1
J2pins.2: J2.2 TINV_1.N2.1
J2pins.3: J2.3 TINV_1.P2.1
J2pins.5: J2.5 TINV_2.N1.1 TINV_2.P1.1
J2pins.6: J2.6 TINV_2.N2.1
J2pins.7: J2.7 TINV_2.P2.1
J2pins.9: J2.9 TINV_3.N1.1 TINV_3.P1.1
J2pins.10: J2.10 TINV_3.N2.1
J2pins.11: J2.11 TINV_3.P2.1
J2pins.13: J2.13 TINV_4.N1.1 TINV_4.P1.1
J2pins.14: J2.14 TINV_4.N2.1
J2pins.15: J2.15 TINV_4.P2.1
J2pins.19: AOI21_1.N1.1 AOI21_1.P1.1 J2.19
J2pins.20: AOI21_1.N2.1 AOI21_1.P2.1 J2.20
J2pins.21: AOI21_1.N3.1 AOI21_1.P3.1 J2.21
J2pins.23: J2.23 OAI21_1.N1.1 OAI21_1.P1.1
J2pins.24: J2.24 OAI21_1.N2.1 OAI21_1.P2.1
J2pins.25: J2.25 OAI21_1.N3.1 OAI21_1.P3.1
J2pins.27: AOI22_1.N1.1 AOI22_1.P1.1 J2.27
J2pins.28: AOI22_1.N2.1 AOI22_1.P2.1 J2.28
J2pins.29: AOI22_1.N3.1 AOI22_1.P3.1 J2.29
J2pins.30: AOI22_1.N4.1 AOI22_1.P4.1 J2.30
J2pins.32: J2.32 OAI22_1.N1.1 OAI22_1.P1.1
J2pins.33: J2.33 OAI22_1.N2.1 OAI22_1.P2.1
J2pins.34: J2.34 OAI22_1.N3.1 OAI22_1.P3.1
J2pins.35: J2.35 OAI22_1.N4.1 OAI22_1.P4.1
J2pins.37: AOI211_1.N1.1 AOI211_1.P1.1 J2.37
J2pins.38: AOI211_1.N2.1 AOI211_1.P2.1 J2.38
J2pins.39: AOI211_1.N3.1 AOI211_1.P3.1 J2.39
J2pins.40: AOI211_1.N4.1 AOI211_1.P4.1 J2.40
J2pins.42: J2.42 OAI211_1.N1.1 OAI211_1.P1.1
J2pins.43: J2.43 OAI211_1.N2.1 OAI211_1.P2.1
J2pins.44: J2.44 OAI211_1.N3.1 OAI211_1.P3.1
J2pins.45: J2.45 OAI211_1.N4.1 OAI211_1.P4.1
J2pins.47: J2.47 NOR4_1.N1.1 NOR4_1.P1.1
J2pins.48: J2.48 NOR4_1.N2.1 NOR4_1.P2.1
J2pins.49: J2.49 NOR4_1.N3.1 NOR4_1.P3.1
J2pins.50: J2.50 NOR4_1.N4.1 NOR4_1.P4.1
J2pins.54: J2.54
J2pins.55: J2.55
J2pins.56: J2.56
J2pins.57: J2.57
J2pins.58: J2.58
J2pins.59: J2.59
J2pins.60: J2.60
J2pins.61: J2.61
J2pins.62: J2.62
J2pins.63: J2.63
J2pins.64: J2.64
J2pins[4]: J2.4 TINV_1.N2.3 TINV_1.P2.3
J2pins[8]: J2.8 TINV_2.N2.3 TINV_2.P2.3
J2pins[12]: J2.12 TINV_3.N2.3 TINV_3.P2.3
J2pins[16]: J2.16 TINV_4.N2.3 TINV_4.P2.3
J2pins[17]: DECAP_LED_12.L.2 J2.17
J2pins[18]: DECAP_LED_12.R.2 J2.18
J2pins[22]: AOI21_1.N1.3 AOI21_1.N3.3 AOI21_1.P1.3 J2.22
J2pins[26]: J2.26 OAI21_1.N2.3 OAI21_1.N3.3 OAI21_1.P1.3 OAI21_1.P3.3
J2pins[31]: AOI22_1.N2.3 AOI22_1.N4.3 AOI22_1.P1.3 AOI22_1.P2.3 J2.31
J2pins[36]: J2.36 OAI22_1.N3.3 OAI22_1.N4.3 OAI22_1.P2.3 OAI22_1.P4.3
J2pins[41]: AOI211_1.N1.3 AOI211_1.N2.3 AOI211_1.N4.3 AOI211_1.P3.3 AOI211_1.P4.3 J2.41
J2pins[46]: J2.46 OAI211_1.N3.3 OAI211_1.N4.3 OAI211_1.P1.3 OAI211_1.P2.3 OAI211_1.P4.3
J2pins[51]: J2.51 NOR4_1.N1.3 NOR4_1.N2.3 NOR4_1.N3.3 NOR4_1.N4.3 NOR4_1.P1.3
J2pins[52]: DECAP_LED_19.L.2 J2.52
J2pins[53]: DECAP_LED_19.R.2 J2.53
J3pins.1: genblk2[0].genblk1[0].L.NOT1.N1.1 genblk2[0].genblk1[0].L.NOT1.P1.1 genblk2[1].genblk1[0].L.NOT1.N1.1 genblk2[1].genblk1[0].L.NOT1.P1.1 genblk2[2].genblk1[0].L.NOT1.N1.1 genblk2[2].genblk1[0].L.NOT1.P1.1 genblk2[3].genblk1[0].L.NOT1.N1.1 genblk2[3].genblk1[0].L.NOT1.P1.1 J3.1
J3pins.2: genblk2[0].genblk1[1].L.NOT1.N1.1 genblk2[0].genblk1[1].L.NOT1.P1.1 genblk2[1].genblk1[1].L.NOT1.N1.1 genblk2[1].genblk1[1].L.NOT1.P1.1 genblk2[2].genblk1[1].L.NOT1.N1.1 genblk2[2].genblk1[1].L.NOT1.P1.1 genblk2[3].genblk1[1].L.NOT1.N1.1 genblk2[3].genblk1[1].L.NOT1.P1.1 J3.2